# KiCad board EOutside.kicad_pcb (continued)
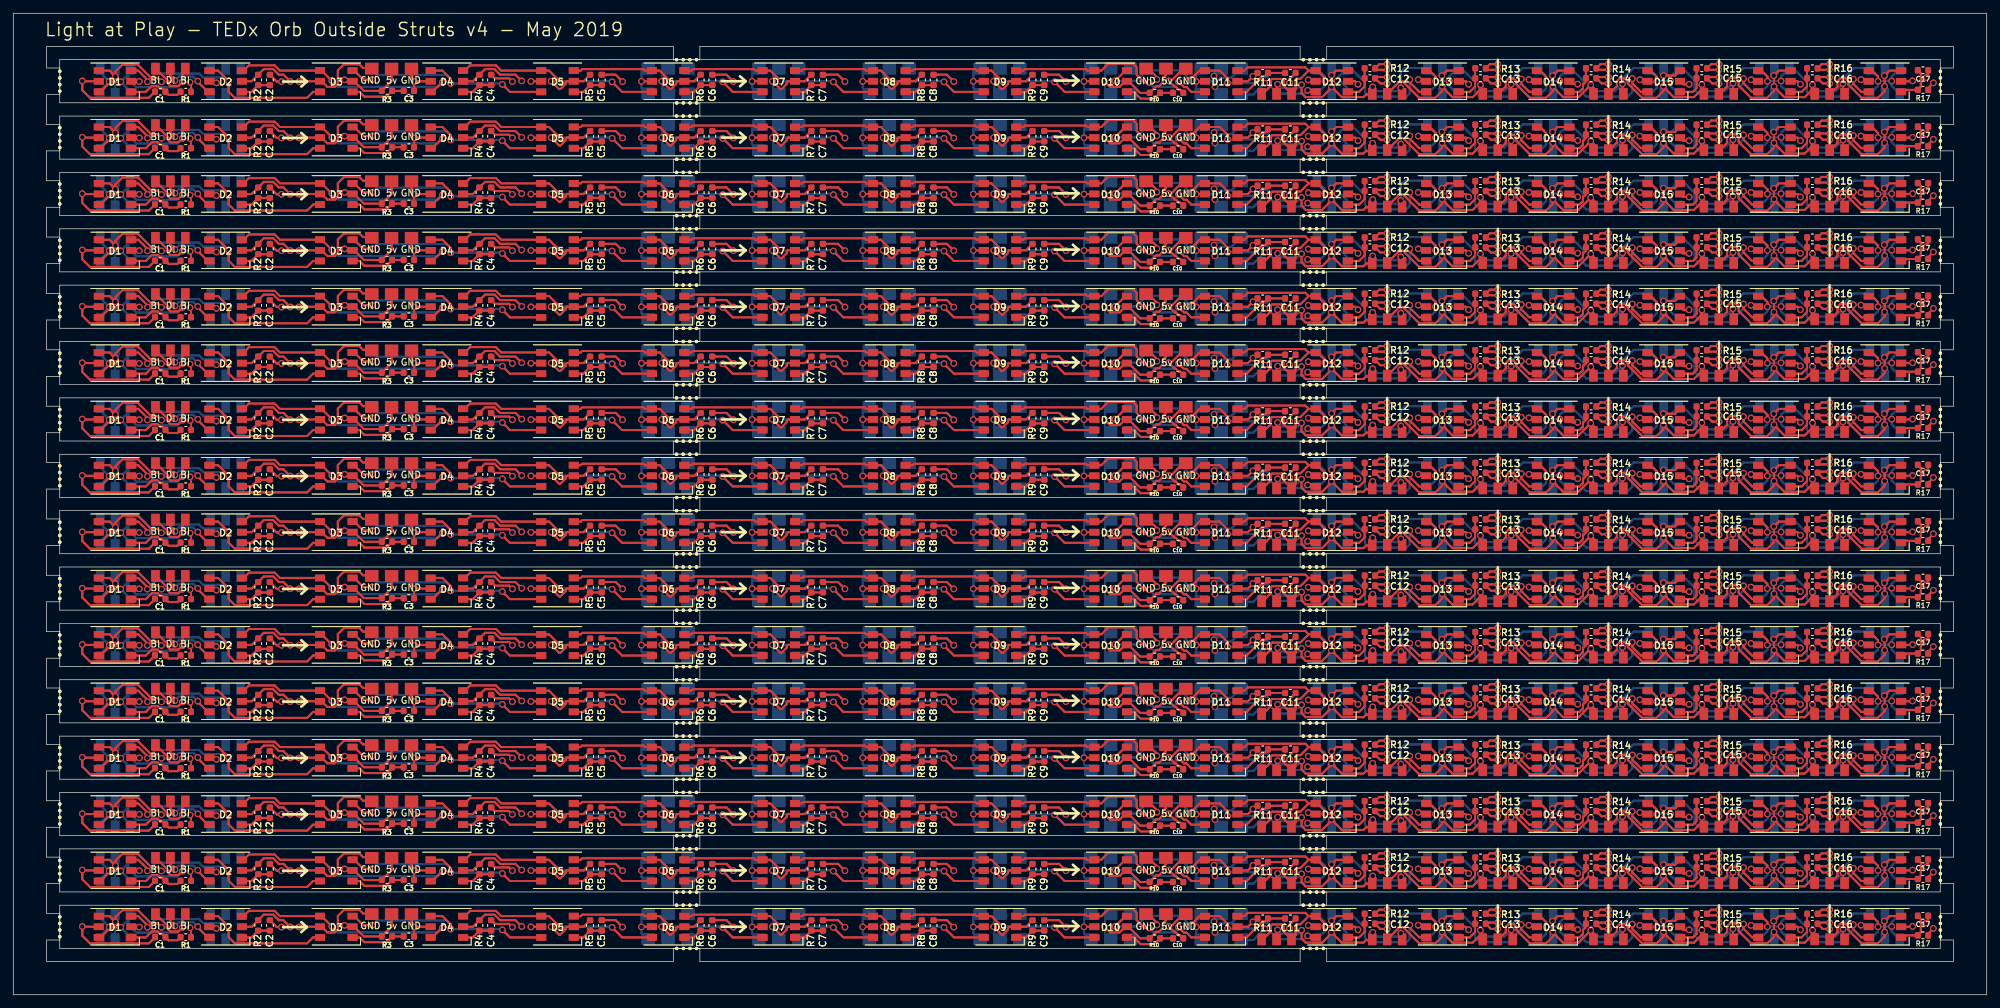
[diagram p0: board, top side]
## Routing (per net, layer and track width the routed paths; a pad name or vN(x,y) marks a point on that pad's centre or on a via; arc(x,y) is an arc through that point) (continued)
v1(288.25,87.3) 288.52,87.57 ; 10.45,86.75 D1#10.5 10.45,86.75 ; 211.83,86.75 D13#10.5 211.83,86.75 ; 211.83,86.75 211.69,86.9 ; 211.83,86.75 211.69,86.9 ; 211.69,86.9 v1(211.69,86.99) 211.69,86.9 ; 30.6,86.75 30.61,86.74 ; 30.6,86.75 D2#9.5 30.6,86.75 ; 30.6,86.75 30.61,86.74 ; 30.61,86.74 v1(30.61,86.5) 30.61,86.74 ; 170.92,88.75 172.3,87.37 ; 170.92,88.75 170.67,88.75 170.92,88.75 ; 170.92,88.75 172.3,87.37 ; 172.3,87.37 v1(172.3,87.03) 172.3,87.37 ; 192.3,87.1 C11#9.2 192.3,87.1 ; 192.3,87.1 v1(192.3,86.53) 192.3,87.1 ; 175.6,85.46 175.19,85.88 ; 175.6,85.46 175.83,85.46 ; 175.6,85.46 175.19,85.88 ; 175.6,85.46 175.83,85.46 ; 175.19,85.88 175.03,85.88 ; 175.19,85.88 175.03,85.88 ; 175.03,85.88 v1(174.1,86.8) ; 175.03,85.88 v1(174.1,86.8) ; 195.17,86.75 D12#9.5 195.17,86.75 ; 195.17,86.75 195.12,86.8 ; 195.17,86.75 195.12,86.8 ; 195.12,86.8 v1(195.12,86.95) 195.12,86.8 ; 47.32,85.9 46.47,86.75 ; 47.32,85.9 48.43,85.9 ; 47.32,85.9 46.47,86.75 ; 47.32,85.9 48.43,85.9 ; 46.47,86.75 D3#9.5 ; 46.47,86.75 D3#9.5 ; 72.54,87.19 C4#10.2 72.54,87.19 ; 72.54,87.19 74.71,87.19 ; 72.54,87.19 74.71,87.19 ; 74.71,87.19 v1(75.2,86.7) 74.71,87.19 ; v1(174.1,86.8) 174.43,86.8 ; v1(174.1,86.8) 174.43,86.8 ; 175.83,85.46 C10#9.2 175.83,85.46 ; 52.7,88.75 52.15,89.3 ; 52.7,88.75 54,88.75 52.7,88.75 ; 52.7,88.75 52.15,89.3 ; 52.15,89.3 49.82,89.3 ; 52.15,89.3 49.82,89.3 ; 48.9,86.37 48.43,85.9 ; 48.9,86.37 48.9,88.38 ; 48.9,86.37 48.43,85.9 ; 48.9,86.37 48.9,88.38 ; 48.9,88.38 49.82,89.3 ; 48.9,88.38 49.82,89.3 ; D3#9.5 43.09,86.75 ; D3#9.5 43.09,86.75 ; 144.67,86.75 D9#9.5 144.67,86.75 ; 144.67,86.75 v1(144.65,86.73) 144.67,86.75 ; 161.34,86.75 D10#9.5 161.34,86.75 ; 161.34,86.75 v1(161.32,86.73) 161.34,86.75 ; 111.34,86.75 v1(111.32,86.73) 111.34,86.75 ; 111.34,86.75 D7#9.5 111.34,86.75 ; 43.09,86.75 v1(43.05,86.71) 43.09,86.75 ; 128.01,86.75 D8#9.5 128.01,86.75 ; 128.01,86.75 v1(127.99,86.73) 128.01,86.75 ; 39.69,86.7 C2#10.2 39.69,86.7 ; 39.69,86.7 39.71,86.7 ; 39.69,86.7 39.71,86.7 ; 39.71,86.7 v1(40.42,86.7) 39.71,86.7 ; 94.67,86.75 D6#10.5 94.67,86.75 ; 94.67,86.75 v1(94.65,86.73) 94.67,86.75 ; C15#9.2 255.23,87.25 C15#9.2 ; C15#9.2 255.96,86.43 ; C15#9.2 255.36,87.38 ; C15#9.2 255.96,86.43 ; C15#9.2 255.36,87.38 ; 272.62,86.43 C16#9.2 ; 272.62,86.43 273.67,86.43 272.62,86.43 ; 272.62,86.43 C16#9.2 ; C16#9.2 272.02,87.38 ; C16#9.2 271.9,87.25 C16#9.2 ; C16#9.2 272.02,87.38 ; 245.99,86.98 D15#9.5 245.99,86.98 ; 245.99,86.98 245.78,86.98 ; 245.99,86.98 245.78,86.98 ; 238.69,87.38 240.33,87.38 238.69,87.38 ; 272.02,87.38 273.67,87.38 272.02,87.38 ; 262.53,86.97 v1(261.82,86.97) 262.53,86.97 ; 262.53,86.97 262.66,86.97 ; 262.53,86.97 262.66,86.97 ; 262.66,86.97 D16#9.5 262.66,86.97 ; 255.96,86.43 257,86.43 255.96,86.43 ; 255.36,87.38 257,87.38 255.36,87.38 ; 178.25,86.75 v1(178.22,86.72) 178.25,86.75 ; 178.25,86.75 D11#9.5 178.25,86.75 ; 176.38,88.75 176.67,88.75 176.38,88.75 ; 176.38,88.75 174.43,86.8 ; 176.38,88.75 174.43,86.8 ; 245.78,86.98 v1(245.07,86.98) 245.78,86.98 ; 272.62,69.43 C16#22.2 ; 272.62,69.43 273.67,69.43 272.62,69.43 ; 272.62,69.43 C16#22.2 ; C16#22.2 271.9,70.25 C16#22.2 ; C16#22.2 272.02,70.38 ; C16#22.2 272.02,70.38 ; 178.25,69.75 D11#17.5 178.25,69.75 ; 178.25,69.75 v1(178.22,69.72) 178.25,69.75 ; 262.66,69.97 D16#21.5 262.66,69.97 ; 262.66,69.97 262.53,69.97 ; 262.66,69.97 262.53,69.97 ; 279.32,69.98 279.09,69.98 ; 279.32,69.98 279.55,69.75 279.32,69.98 ; 279.32,69.98 279.09,69.98 ; 279.09,69.98 v1(278.38,69.98) 279.09,69.98 ; 272.02,70.38 273.67,70.38 272.02,70.38 ; 255.36,70.38 257,70.38 255.36,70.38 ; 255.36,70.38 C15#18.2 ; 255.36,70.38 C15#18.2 ; 262.53,69.97 v1(261.82,69.97) 262.53,69.97 ; 239.29,69.43 240.33,69.43 239.29,69.43 ; 239.29,69.43 C14#19.2 ; 239.29,69.43 C14#19.2 ; 255.96,69.43 257,69.43 255.96,69.43 ; 255.96,69.43 C15#18.2 ; 255.96,69.43 C15#18.2 ; C15#18.2 255.23,70.25 C15#18.2 ; 174.43,69.8 176.38,71.75 ; 174.43,69.8 v1(174.1,69.8) ; 174.43,69.8 v1(174.1,69.8) ; 174.43,69.8 176.38,71.75 ; 176.38,71.75 176.67,71.75 176.38,71.75 ; v1(174.1,69.8) 175.03,68.88 ; v1(174.1,69.8) 175.03,68.88 ; 238.69,70.38 240.33,70.38 238.69,70.38 ; 238.69,70.38 C14#19.2 ; 238.69,70.38 C14#19.2 ; 245.99,69.98 D15#19.5 245.99,69.98 ; 245.99,69.98 245.78,69.98 ; 245.99,69.98 245.78,69.98 ; 245.78,69.98 v1(245.07,69.98) 245.78,69.98 ; C14#19.2 238.57,70.25 C14#19.2 ; 43.09,69.75 v1(43.05,69.71) 43.09,69.75 ; 43.09,69.75 D3#18.5 ; 43.09,69.75 D3#18.5 ; 128.01,69.75 D8#17.5 128.01,69.75 ; 128.01,69.75 v1(127.99,69.73) 128.01,69.75 ; 39.69,69.7 C2#19.2 39.69,69.7 ; 39.69,69.7 39.71,69.7 ; 39.69,69.7 39.71,69.7 ; 39.71,69.7 v1(40.42,69.7) 39.71,69.7 ; 111.34,69.75 D7#17.5 111.34,69.75 ; 111.34,69.75 v1(111.32,69.73) 111.34,69.75 ; 49.82,72.3 48.9,71.38 ; 49.82,72.3 52.15,72.3 ; 49.82,72.3 52.15,72.3 ; 49.82,72.3 48.9,71.38 ; 48.9,71.38 48.9,69.37 ; 48.9,71.38 48.9,69.37 ; 144.67,69.75 v1(144.65,69.73) 144.67,69.75 ; 144.67,69.75 D9#17.5 144.67,69.75 ; D3#18.5 46.47,69.75 ; D3#18.5 46.47,69.75 ; 161.34,69.75 v1(161.32,69.73) 161.34,69.75 ; 161.34,69.75 D10#17.5 161.34,69.75 ; 52.15,72.3 52.7,71.75 ; 52.15,72.3 52.7,71.75 ; 48.43,68.9 47.32,68.9 ; 48.43,68.9 48.9,69.37 ; 48.43,68.9 47.32,68.9 ; 48.43,68.9 48.9,69.37 ; 47.32,68.9 46.47,69.75 ; 47.32,68.9 46.47,69.75 ; 94.67,69.75 D6#20.5 94.67,69.75 ; 94.67,69.75 v1(94.65,69.73) 94.67,69.75 ; 78.01,69.75 v1(77.99,69.73) 78.01,69.75 ; 78.01,69.75 D5#19.5 78.01,69.75 ; 90.76,70.74 C5#20.2 90.76,70.74 ; 90.76,70.74 91.3,70.2 ; 90.76,70.74 91.3,70.2 ; 91.3,70.2 v1(91.8,69.7) 91.3,70.2 ; 107.46,70.74 C6#18.2 107.46,70.74 ; 107.46,70.74 108,70.2 ; 107.46,70.74 108,70.2 ; 140.66,70.74 141.2,70.2 ; 140.66,70.74 C8#19.2 140.66,70.74 ; 140.66,70.74 141.2,70.2 ; 141.2,70.2 v1(141.7,69.7) 141.2,70.2 ; 124.26,70.74 124.8,70.2 ; 124.26,70.74 C7#18.2 124.26,70.74 ; 124.26,70.74 124.8,70.2 ; 124.8,70.2 v1(125.3,69.7) 124.8,70.2 ; 108,70.2 v1(108.5,69.7) 108,70.2 ; 157.56,70.74 158.1,70.2 ; 157.56,70.74 C9#19.2 157.56,70.74 ; 157.56,70.74 158.1,70.2 ; 158.1,70.2 v1(158.6,69.7) 158.1,70.2 ; 52.7,71.75 54,71.75 52.7,71.75 ; 175.83,68.46 C10#19.2 175.83,68.46 ; 175.83,68.46 175.6,68.46 ; 175.83,68.46 175.6,68.46 ; 72.54,70.19 74.71,70.19 ; 72.54,70.19 C4#19.2 72.54,70.19 ; 72.54,70.19 74.71,70.19 ; 74.71,70.19 v1(75.2,69.7) 74.71,70.19 ; 222.62,69.43 223.67,69.43 222.62,69.43 ; 222.62,69.43 221.85,70.2 ; 222.62,69.43 221.85,70.2 ; 222.02,70.38 223.67,70.38 222.02,70.38 ; 222.02,70.38 221.85,70.2 ; 222.02,70.38 221.85,70.2 ; 221.85,70.2 221.9,70.25 221.85,70.2 ; 205.96,69.43 207,69.43 205.96,69.43 ; 205.96,69.43 C12#19.2 ; 205.96,69.43 C12#19.2 ; 205.36,70.38 207,70.38 205.36,70.38 ; 205.36,70.38 C12#19.2 ; 205.36,70.38 C12#19.2 ; C12#19.2 205.23,70.25 C12#19.2 ; 228.5,69.75 D14#22.5 228.5,69.75 ; 228.5,69.75 228.35,69.9 ; 228.5,69.75 228.35,69.9 ; 228.35,69.9 v1(228.35,69.99) 228.35,69.9 ; 60.39,69.69 v1(60.4,69.7) ; 60.39,69.69 C3#19.2 60.39,69.69 ; 60.39,69.69 v1(60.4,69.7) ; v1(60.4,69.7) 60,70.1 ; v1(60.4,69.7) 60.45,69.75 ; v1(60.4,69.7) 60.45,69.75 ; v1(60.4,69.7) 60,70.1 ; 11.55,67.25 10.4,68.4 ; 11.55,67.25 20.42,67.25 ; 11.55,67.25 20.42,67.25 ; 11.55,67.25 10.4,68.4 ; 10.4,68.4 10.4,69.09 ; 10.4,68.4 10.4,69.09 ; 60,70.1 60,71.75 60,70.1 ; 20.42,67.25 C1#18.2 20.42,67.25 ; 60.45,69.75 D4#19.5 60.45,69.75 ; 10.4,69.09 v1(10.4,69.8) ; 10.4,69.09 v1(10.4,69.8) ; v1(10.4,69.8) 10.45,69.75 ; v1(10.4,69.8) 10.45,69.75 ; 288.52,70.57 C17#22.2 288.52,70.57 ; 288.52,70.57 v1(288.25,70.3) 288.52,70.57 ; 10.45,69.75 D1#20.5 10.45,69.75 ; 211.83,69.75 D13#23.5 211.83,69.75 ; 211.83,69.75 211.69,69.9 ; 211.83,69.75 211.69,69.9 ; 211.69,69.9 v1(211.69,69.99) 211.69,69.9 ; 30.6,69.75 30.61,69.74 ; 30.6,69.75 D2#19.5 30.6,69.75 ; 30.6,69.75 30.61,69.74 ; 30.61,69.74 v1(30.61,69.5) 30.61,69.74 ; 170.92,71.75 172.3,70.37 ; 170.92,71.75 170.67,71.75 170.92,71.75 ; 170.92,71.75 172.3,70.37 ; 172.3,70.37 v1(172.3,70.03) 172.3,70.37 ; 192.3,70.1 C11#19.2 192.3,70.1 ; 192.3,70.1 v1(192.3,69.53) 192.3,70.1 ; 175.6,68.46 175.19,68.88 ; 175.6,68.46 175.19,68.88 ; 175.19,68.88 175.03,68.88 ; 175.19,68.88 175.03,68.88 ; 195.17,69.75 D12#17.5 195.17,69.75 ; 195.17,69.75 195.12,69.8 ; 195.17,69.75 195.12,69.8 ; 195.12,69.8 v1(195.12,69.95) 195.12,69.8 ; 239.29,60.93 C14#20.2 ; 239.29,60.93 240.33,60.93 239.29,60.93 ; 239.29,60.93 C14#20.2 ; C14#20.2 238.57,61.75 C14#20.2 ; C14#20.2 238.69,61.88 ; C14#20.2 238.69,61.88 ; 222.62,60.93 223.67,60.93 222.62,60.93 ; 222.62,60.93 221.85,61.7 ; 222.62,60.93 221.85,61.7 ; 222.02,61.88 223.67,61.88 222.02,61.88 ; 222.02,61.88 221.85,61.7 ; 222.02,61.88 221.85,61.7 ; 221.85,61.7 221.9,61.75 221.85,61.7 ; 205.96,60.93 207,60.93 205.96,60.93 ; 205.96,60.93 C12#21.2 ; 205.96,60.93 C12#21.2 ; 205.36,61.88 207,61.88 205.36,61.88 ; 205.36,61.88 C12#21.2 ; 205.36,61.88 C12#21.2 ; C12#21.2 205.23,61.75 C12#21.2 ; 228.5,61.25 D14#17.5 228.5,61.25 ; 228.5,61.25 228.35,61.4 ; 228.5,61.25 228.35,61.4 ; 228.35,61.4 v1(228.35,61.49) 228.35,61.4 ; 60.39,61.19 v1(60.4,61.2) ; 60.39,61.19 C3#18.2 60.39,61.19 ; 60.39,61.19 v1(60.4,61.2) ; v1(60.4,61.2) 60,61.6 ; v1(60.4,61.2) 60.45,61.25 ; v1(60.4,61.2) 60,61.6 ; v1(60.4,61.2) 60.45,61.25 ; 11.55,58.75 10.4,59.9 ; 11.55,58.75 20.42,58.75 ; 11.55,58.75 10.4,59.9 ; 11.55,58.75 20.42,58.75 ; 10.4,59.9 10.4,60.59 ; 10.4,59.9 10.4,60.59 ; 60,61.6 60,63.25 60,61.6 ; 20.42,58.75 C1#17.2 20.42,58.75 ; 60.45,61.25 D4#17.5 60.45,61.25 ; 10.4,60.59 v1(10.4,61.3) ; 10.4,60.59 v1(10.4,61.3) ; v1(10.4,61.3) 10.45,61.25 ; v1(10.4,61.3) 10.45,61.25 ; 288.52,62.07 C17#20.2 288.52,62.07 ; 288.52,62.07 v1(288.25,61.8) 288.52,62.07 ; 10.45,61.25 D1#17.5 10.45,61.25 ; 211.83,61.25 D13#21.5 211.83,61.25 ; 211.83,61.25 211.69,61.4 ; 211.83,61.25 211.69,61.4 ; 211.69,61.4 v1(211.69,61.49) 211.69,61.4 ; 30.6,61.25 30.61,61.24 ; 30.6,61.25 D2#20.5 30.6,61.25 ; 30.6,61.25 30.61,61.24 ; 30.61,61.24 v1(30.61,61) 30.61,61.24 ; 170.92,63.25 172.3,61.87 ; 170.92,63.25 170.67,63.25 170.92,63.25 ; 170.92,63.25 172.3,61.87 ; 172.3,61.87 v1(172.3,61.53) 172.3,61.87 ; 192.3,61.6 C11#21.2 192.3,61.6 ; 192.3,61.6 v1(192.3,61.03) 192.3,61.6 ; 175.6,59.96 175.19,60.38 ; 175.6,59.96 175.83,59.96 ; 175.6,59.96 175.19,60.38 ; 175.6,59.96 175.83,59.96 ; 175.19,60.38 175.03,60.38 ; 175.19,60.38 175.03,60.38 ; 175.03,60.38 v1(174.1,61.3) ; 175.03,60.38 v1(174.1,61.3) ; 195.17,61.25 D12#21.5 195.17,61.25 ; 195.17,61.25 195.12,61.3 ; 195.17,61.25 195.12,61.3 ; 195.12,61.3 v1(195.12,61.45) 195.12,61.3 ; 47.32,60.4 46.47,61.25 ; 47.32,60.4 48.43,60.4 ; 47.32,60.4 46.47,61.25 ; 47.32,60.4 48.43,60.4 ; 46.47,61.25 D3#19.5 ; 46.47,61.25 D3#19.5 ; 72.54,61.69 C4#18.2 72.54,61.69 ; 72.54,61.69 74.71,61.69 ; 72.54,61.69 74.71,61.69 ; 74.71,61.69 v1(75.2,61.2) 74.71,61.69 ; v1(174.1,61.3) 174.43,61.3 ; v1(174.1,61.3) 174.43,61.3 ; 175.83,59.96 C10#17.2 175.83,59.96 ; 52.7,63.25 52.15,63.8 ; 52.7,63.25 54,63.25 52.7,63.25 ; 52.7,63.25 52.15,63.8 ; 52.15,63.8 49.82,63.8 ; 52.15,63.8 49.82,63.8 ; 48.9,60.87 48.43,60.4 ; 48.9,60.87 48.9,62.88 ; 48.9,60.87 48.43,60.4 ; 48.9,60.87 48.9,62.88 ; 48.9,62.88 49.82,63.8 ; 48.9,62.88 49.82,63.8 ; D3#19.5 43.09,61.25 ; D3#19.5 43.09,61.25 ; 144.67,61.25 D9#21.5 144.67,61.25 ; 144.67,61.25 v1(144.65,61.23) 144.67,61.25 ; 161.34,61.25 D10#22.5 161.34,61.25 ; 161.34,61.25 v1(161.32,61.23) 161.34,61.25 ; 111.34,61.25 v1(111.32,61.23) 111.34,61.25 ; 111.34,61.25 D7#21.5 111.34,61.25 ; 43.09,61.25 v1(43.05,61.21) 43.09,61.25 ; 128.01,61.25 D8#21.5 128.01,61.25 ; 128.01,61.25 v1(127.99,61.23) 128.01,61.25 ; 39.69,61.2 C2#18.2 39.69,61.2 ; 39.69,61.2 39.71,61.2 ; 39.69,61.2 39.71,61.2 ; 39.71,61.2 v1(40.42,61.2) 39.71,61.2 ; 94.67,61.25 D6#19.5 94.67,61.25 ; 94.67,61.25 v1(94.65,61.23) 94.67,61.25 ; 78.01,61.25 v1(77.99,61.23) 78.01,61.25 ; 78.01,61.25 D5#22.5 78.01,61.25 ; 90.76,62.24 C5#17.2 90.76,62.24 ; 90.76,62.24 91.3,61.7 ; 90.76,62.24 91.3,61.7 ; 91.3,61.7 v1(91.8,61.2) 91.3,61.7 ; 107.46,62.24 C6#19.2 107.46,62.24 ; 107.46,62.24 108,61.7 ; 107.46,62.24 108,61.7 ; 140.66,62.24 141.2,61.7 ; 140.66,62.24 C8#20.2 140.66,62.24 ; 140.66,62.24 141.2,61.7 ; 141.2,61.7 v1(141.7,61.2) 141.2,61.7 ; 124.26,62.24 124.8,61.7 ; 124.26,62.24 C7#20.2 124.26,62.24 ; 124.26,62.24 124.8,61.7 ; 124.8,61.7 v1(125.3,61.2) 124.8,61.7 ; 108,61.7 v1(108.5,61.2) 108,61.7 ; 157.56,62.24 158.1,61.7 ; 157.56,62.24 C9#20.2 157.56,62.24 ; 157.56,62.24 158.1,61.7 ; 158.1,61.7 v1(158.6,61.2) 158.1,61.7 ; 279.32,61.48 279.55,61.25 279.32,61.48 ; 279.32,61.48 279.09,61.48 ; 279.32,61.48 279.09,61.48 ; 279.09,61.48 v1(278.38,61.48) 279.09,61.48 ; 255.36,61.88 257,61.88 255.36,61.88 ; 255.36,61.88 C15#21.2 ; 255.36,61.88 C15#21.2 ; 238.69,61.88 240.33,61.88 238.69,61.88 ; 272.02,61.88 C16#18.2 ; 272.02,61.88 273.67,61.88 272.02,61.88 ; 272.02,61.88 C16#18.2 ; C16#18.2 271.9,61.75 C16#18.2 ; C16#18.2 272.62,60.93 ; C16#18.2 272.62,60.93 ; C15#21.2 255.23,61.75 C15#21.2 ; C15#21.2 255.96,60.93 ; C15#21.2 255.96,60.93 ; 272.62,60.93 273.67,60.93 272.62,60.93 ; 255.96,60.93 257,60.93 255.96,60.93 ; 272.62,43.93 273.67,43.93 272.62,43.93 ; 272.62,43.93 C16#17.2 ; 272.62,43.93 C16#17.2 ; 174.43,44.3 176.38,46.25 ; 174.43,44.3 176.38,46.25 ; 174.43,44.3 v1(174.1,44.3) ; 174.43,44.3 v1(174.1,44.3) ; 176.38,46.25 176.67,46.25 176.38,46.25 ; 178.25,44.25 D11#21.5 178.25,44.25 ; 178.25,44.25 v1(178.22,44.22) 178.25,44.25 ; 262.66,44.47 262.53,44.47 ; 262.66,44.47 D16#18.5 262.66,44.47 ; 262.66,44.47 262.53,44.47 ; 262.53,44.47 v1(261.82,44.47) 262.53,44.47 ; 245.99,44.48 245.78,44.48 ; 245.99,44.48 D15#18.5 245.99,44.48 ; 245.99,44.48 245.78,44.48 ; 245.78,44.48 v1(245.07,44.48) 245.78,44.48 ; 239.29,43.93 240.33,43.93 239.29,43.93 ; 239.29,43.93 C14#18.2 ; 239.29,43.93 C14#18.2 ; 279.32,44.48 279.09,44.48 ; 279.32,44.48 279.09,44.48 ; 279.32,44.48 279.55,44.25 279.32,44.48 ; 279.09,44.48 v1(278.38,44.48) 279.09,44.48 ; 255.36,44.88 257,44.88 255.36,44.88 ; 255.36,44.88 C15#20.2 ; 255.36,44.88 C15#20.2 ; 238.69,44.88 240.33,44.88 238.69,44.88 ; 238.69,44.88 C14#18.2 ; 238.69,44.88 C14#18.2 ; 272.02,44.88 C16#17.2 ; 272.02,44.88 273.67,44.88 272.02,44.88 ; 272.02,44.88 C16#17.2 ; C16#17.2 271.9,44.75 C16#17.2 ; C15#20.2 255.23,44.75 C15#20.2 ; C15#20.2 255.96,43.93 ; C15#20.2 255.96,43.93 ; C14#18.2 238.57,44.75 C14#18.2 ; 174.43,61.3 176.38,63.25 ; 174.43,61.3 176.38,63.25 ; 176.38,63.25 176.67,63.25 176.38,63.25 ; 178.25,61.25 D11#19.5 178.25,61.25 ; 178.25,61.25 v1(178.22,61.22) 178.25,61.25 ; 262.66,61.47 262.53,61.47 ; 262.66,61.47 D16#17.5 262.66,61.47 ; 262.66,61.47 262.53,61.47 ; 262.53,61.47 v1(261.82,61.47) 262.53,61.47 ; 245.99,61.48 245.78,61.48 ; 245.99,61.48 D15#20.5 245.99,61.48 ; 245.99,61.48 245.78,61.48 ; 245.78,61.48 v1(245.07,61.48) 245.78,61.48 ; 192.3,44.6 v1(192.3,44.03) 192.3,44.6 ; 192.3,44.6 C11#18.2 192.3,44.6 ; 170.92,46.25 170.67,46.25 170.92,46.25 ; 170.92,46.25 172.3,44.87 ; 170.92,46.25 172.3,44.87 ; 47.32,43.4 46.47,44.25 ; 47.32,43.4 48.43,43.4 ; 47.32,43.4 46.47,44.25 ; 47.32,43.4 48.43,43.4 ; 46.47,44.25 D3#17.5 ; 46.47,44.25 D3#17.5 ; 72.54,44.69 C4#17.2 72.54,44.69 ; 72.54,44.69 74.71,44.69 ; 72.54,44.69 74.71,44.69 ; 74.71,44.69 v1(75.2,44.2) 74.71,44.69 ; 175.03,43.38 v1(174.1,44.3) ; 175.03,43.38 175.19,43.38 ; 175.03,43.38 175.19,43.38 ; 175.03,43.38 v1(174.1,44.3) ; 175.83,42.96 175.6,42.96 ; 175.83,42.96 C10#20.2 175.83,42.96 ; 175.83,42.96 175.6,42.96 ; 175.6,42.96 175.19,43.38 ; 175.6,42.96 175.19,43.38 ; 52.7,46.25 52.15,46.8 ; 52.7,46.25 54,46.25 52.7,46.25 ; 52.7,46.25 52.15,46.8 ; 52.15,46.8 49.82,46.8 ; 52.15,46.8 49.82,46.8 ; 48.9,43.87 48.43,43.4 ; 48.9,43.87 48.9,45.88 ; 48.9,43.87 48.43,43.4 ; 48.9,43.87 48.9,45.88 ; 48.9,45.88 49.82,46.8 ; 48.9,45.88 49.82,46.8 ; D3#17.5 43.09,44.25 ; D3#17.5 43.09,44.25 ; 144.67,44.25 D9#19.5 144.67,44.25 ; 144.67,44.25 v1(144.65,44.23) 144.67,44.25 ; 161.34,44.25 D10#19.5 161.34,44.25 ; 161.34,44.25 v1(161.32,44.23) 161.34,44.25 ; 111.34,44.25 v1(111.32,44.23) 111.34,44.25 ; 111.34,44.25 D7#18.5 111.34,44.25 ; 43.09,44.25 v1(43.05,44.21) 43.09,44.25 ; 128.01,44.25 D8#19.5 128.01,44.25 ; 128.01,44.25 v1(127.99,44.23) 128.01,44.25 ; 39.69,44.2 C2#17.2 39.69,44.2 ; 39.69,44.2 39.71,44.2 ; 39.69,44.2 39.71,44.2 ; 39.71,44.2 v1(40.42,44.2) 39.71,44.2 ; 94.67,44.25 D6#18.5 94.67,44.25 ; 94.67,44.25 v1(94.65,44.23) 94.67,44.25 ; 78.01,44.25 v1(77.99,44.23) 78.01,44.25 ; 78.01,44.25 D5#17.5 78.01,44.25 ; 90.76,45.24 C5#18.2 90.76,45.24 ; 90.76,45.24 91.3,44.7 ; 90.76,45.24 91.3,44.7 ; 222.62,43.93 223.67,43.93 222.62,43.93 ; 222.62,43.93 221.85,44.7 ; 222.62,43.93 221.85,44.7 ; 222.02,44.88 223.67,44.88 222.02,44.88 ; 222.02,44.88 221.85,44.7 ; 222.02,44.88 221.85,44.7 ; 221.85,44.7 221.9,44.75 221.85,44.7 ; 205.96,43.93 207,43.93 205.96,43.93 ; 205.96,43.93 C12#18.2 ; 205.96,43.93 C12#18.2 ; 205.36,44.88 207,44.88 205.36,44.88 ; 205.36,44.88 C12#18.2 ; 205.36,44.88 C12#18.2 ; C12#18.2 205.23,44.75 C12#18.2 ; 228.5,44.25 D14#19.5 228.5,44.25 ; 228.5,44.25 228.35,44.4 ; 228.5,44.25 228.35,44.4 ; 228.35,44.4 v1(228.35,44.49) 228.35,44.4 ; 60.39,44.19 v1(60.4,44.2) ; 60.39,44.19 C3#17.2 60.39,44.19 ; 60.39,44.19 v1(60.4,44.2) ; v1(60.4,44.2) 60,44.6 ; v1(60.4,44.2) 60.45,44.25 ; v1(60.4,44.2) 60,44.6 ; v1(60.4,44.2) 60.45,44.25 ; 11.55,41.75 10.4,42.9 ; 11.55,41.75 20.42,41.75 ; 11.55,41.75 10.4,42.9 ; 11.55,41.75 20.42,41.75 ; 10.4,42.9 10.4,43.59 ; 10.4,42.9 10.4,43.59 ; 60,44.6 60,46.25 60,44.6 ; 20.42,41.75 C1#19.2 20.42,41.75 ; 60.45,44.25 D4#21.5 60.45,44.25 ; 10.4,43.59 v1(10.4,44.3) ; 10.4,43.59 v1(10.4,44.3) ; v1(10.4,44.3) 10.45,44.25 ; v1(10.4,44.3) 10.45,44.25 ; 288.52,45.07 C17#17.2 288.52,45.07 ; 288.52,45.07 v1(288.25,44.8) 288.52,45.07 ; 10.45,44.25 D1#18.5 10.45,44.25 ; 211.83,44.25 D13#18.5 211.83,44.25 ; 211.83,44.25 211.69,44.4 ; 211.83,44.25 211.69,44.4 ; 211.69,44.4 v1(211.69,44.49) 211.69,44.4 ; 30.6,44.25 30.61,44.24 ; 30.6,44.25 D2#18.5 30.6,44.25 ; 30.6,44.25 30.61,44.24 ; 30.61,44.24 v1(30.61,44) 30.61,44.24 ; 172.3,44.87 v1(172.3,44.53) 172.3,44.87 ; 195.17,44.25 D12#23.5 195.17,44.25 ; 195.17,44.25 195.12,44.3 ; 195.17,44.25 195.12,44.3 ; 195.12,44.3 v1(195.12,44.45) 195.12,44.3 ; 78.01,52.75 v1(77.99,52.73) 78.01,52.75 ; 78.01,52.75 D5#18.5 78.01,52.75 ; 90.76,53.74 C5#22.2 90.76,53.74 ; 90.76,53.74 91.3,53.2 ; 90.76,53.74 91.3,53.2 ; 91.3,53.2 v1(91.8,52.7) 91.3,53.2 ; 107.46,53.74 C6#22.2 107.46,53.74 ; 107.46,53.74 108,53.2 ; 107.46,53.74 108,53.2 ; 140.66,53.74 141.2,53.2 ; 140.66,53.74 C8#17.2 140.66,53.74 ; 140.66,53.74 141.2,53.2 ; 141.2,53.2 v1(141.7,52.7) 141.2,53.2 ; 124.26,53.74 124.8,53.2 ; 124.26,53.74 C7#23.2 124.26,53.74 ; 124.26,53.74 124.8,53.2 ; 124.8,53.2 v1(125.3,52.7) 124.8,53.2 ; 108,53.2 v1(108.5,52.7) 108,53.2 ; 157.56,53.74 158.1,53.2 ; 157.56,53.74 C9#17.2 157.56,53.74 ; 157.56,53.74 158.1,53.2 ; 158.1,53.2 v1(158.6,52.7) 158.1,53.2 ; 279.32,52.98 279.55,52.75 279.32,52.98 ; 279.32,52.98 279.09,52.98 ; 279.32,52.98 279.09,52.98 ; 279.09,52.98 v1(278.38,52.98) 279.09,52.98 ; 239.29,52.43 C14#17.2 ; 239.29,52.43 C14#17.2 ; 239.29,52.43 240.33,52.43 239.29,52.43 ; C14#17.2 238.57,53.25 C14#17.2 ; C14#17.2 238.69,53.38 ; C14#17.2 238.69,53.38 ; 222.62,52.43 223.67,52.43 222.62,52.43 ; 222.62,52.43 221.85,53.2 ; 222.62,52.43 221.85,53.2 ; 222.02,53.38 223.67,53.38 222.02,53.38 ; 222.02,53.38 221.85,53.2 ; 222.02,53.38 221.85,53.2 ; 221.85,53.2 221.9,53.25 221.85,53.2 ; 205.96,52.43 207,52.43 205.96,52.43 ; 205.96,52.43 C12#17.2 ; 205.96,52.43 C12#17.2 ; 205.36,53.38 207,53.38 205.36,53.38 ; 205.36,53.38 C12#17.2 ; 205.36,53.38 C12#17.2 ; C12#17.2 205.23,53.25 C12#17.2 ; 228.5,52.75 D14#18.5 228.5,52.75 ; 228.5,52.75 228.35,52.9 ; 228.5,52.75 228.35,52.9 ; 228.35,52.9 v1(228.35,52.99) 228.35,52.9 ; 60.39,52.69 v1(60.4,52.7) ; 60.39,52.69 C3#23.2 60.39,52.69 ; 60.39,52.69 v1(60.4,52.7) ; v1(60.4,52.7) 60,53.1 ; v1(60.4,52.7) 60.45,52.75 ; v1(60.4,52.7) 60,53.1 ; v1(60.4,52.7) 60.45,52.75 ; 11.55,50.25 10.4,51.4 ; 11.55,50.25 20.42,50.25 ; 11.55,50.25 10.4,51.4 ; 11.55,50.25 20.42,50.25 ; 10.4,51.4 10.4,52.09 ; 10.4,51.4 10.4,52.09 ; 60,53.1 60,54.75 60,53.1 ; 20.42,50.25 